# Altium PCB DAC_Sources.PcbDoc (part 4 of 8)
Units mm, origin at the board's own origin, x right, y up, seen from the top; angles counter-clockwise.
Board outline 277 x 137 mm, 8 copper layers (Top Layer, GND_02, SIG_03, PWR_04, PWR_05, SIG_06, GND_07, Bottom Layer), stack 1.669 mm thick; 635 components, 416 nets, 2247 pads, 2216 vias.
Unrouted connection lines stored in the file: 515.
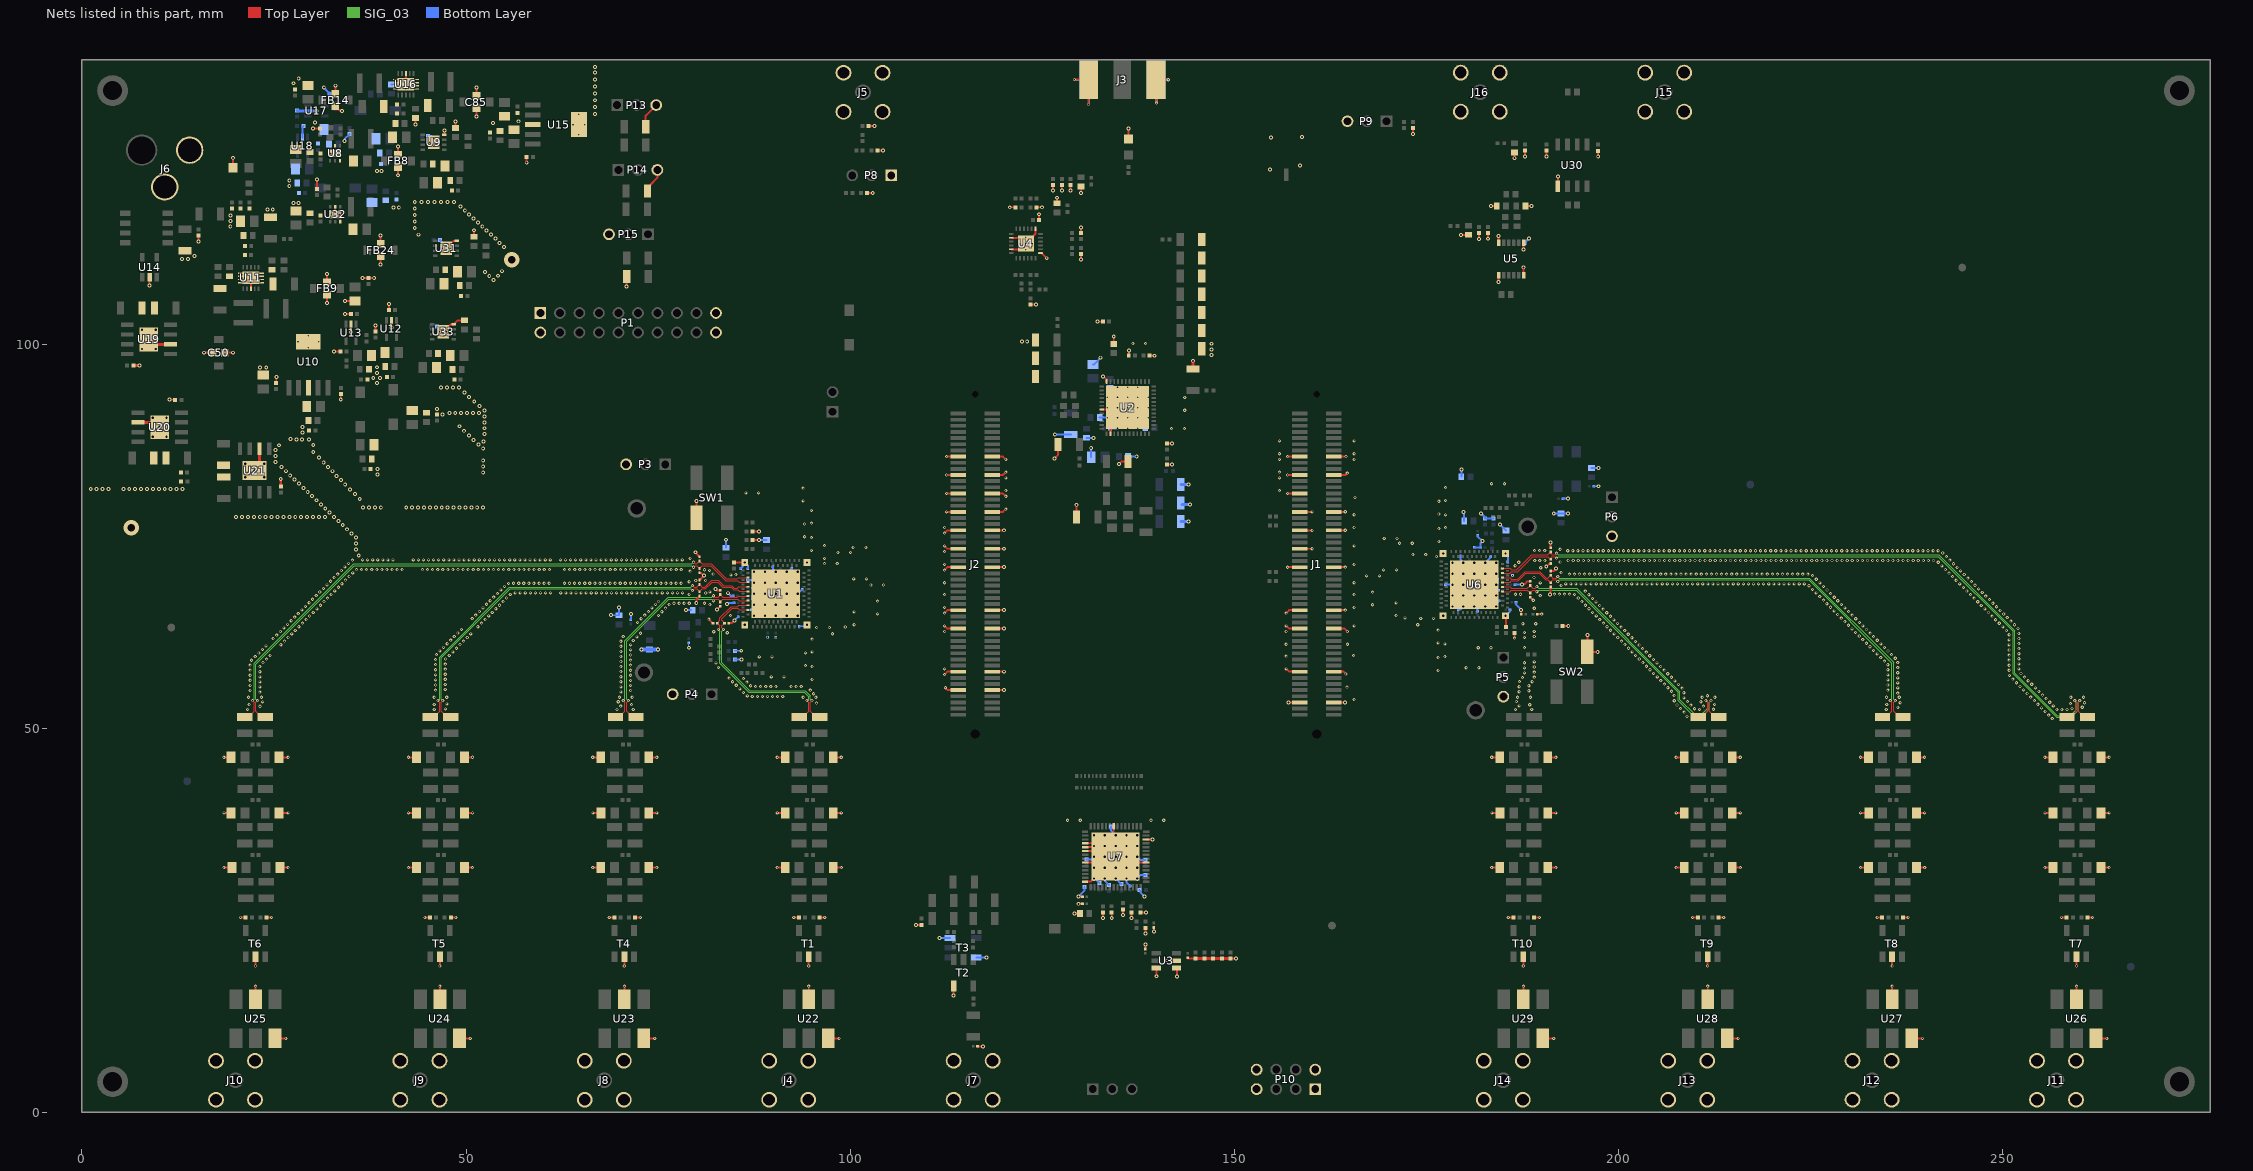
[diagram p10: the nets of this part, all layers, seen from the top]

## Via types
v1: diameter 0.406, hole 0.203, Top Layer to Bottom Layer, tented both sides, 1493 vias
v2: diameter 0.508, hole 0.254, Top Layer to Bottom Layer, tented both sides, 563 vias
v3: diameter 0.254, hole 0.152, Top Layer to Bottom Layer, tented both sides, 60 vias
v4: diameter 0.6, hole 0.3, Top Layer to Bottom Layer, tented top, 58 vias
v5: diameter 0.61, hole 0.305, Top Layer to Bottom Layer, tented top, 25 vias
v6: diameter 0.61, hole 0.305, Top Layer to Bottom Layer, tented both sides, 15 vias
v7: diameter 2, hole 1, Top Layer to Bottom Layer, tented both sides, 2 vias

## Nets (pads, with @x,y where several pads share a name; then routed paths per layer and width w, separated by ;. In a path a pad name is that pad's centre, name@x,y a point inside that pad or via, vN(x,y) a via of type N, cw(c..) or ccw(c..) an arc to the next point about the centre after c; other vN are vias at no path point) (continued)
GND: C1.1 C2.1 C3.1 C4.1 C5.1 C6.1 C10.1 C11.1 C12.2 C15.2 C16.2 C17.2 C18.2 C19.1 C20.2 C21.2 C22.2 C24.2 C25.2 C26.2 C27.2 C28.2 C29.2 C31.2 C32.2 C35.1 C36.2 C37.1 C38.1 C39.1 C40.1 C41.2 C42.1 C43.2 C44.2 C45.1 C46.1 C47.2 C48.2 C49.2 C50.2 C51.2 C52.2 C53.1 C54.2 C55.1 C56.1 C57.1 C58.1 C59.2 C60.2 C61.2 C62.2 C63.1 C64.1 C65.2 C66.1 C67.2 C68.1 C69.1 C70.2 C71.1 C72.2 C73.1 C74.2 C75.1 C76.1 C77.2 C84.2 C85.2 C86.2 C87.2 C88.1 C89.2 C90.1 C91.1 C92.1 C93.1 C94.2 C95.2 C96.2 C97.2 C98.1 C99.1 C100.2 C101.1 C102.2 C103.1 C104.1 C105.2 C106.1 C107.2 C108.1 C109.2 C110.1 C111.1 C112.2 C113.2 C114.2 C115.2 C116.2 C117.2 C118.2 C119.2 C120.2 C121.2 C122.2 C123.2 C124.2 C125.2 C126.2 C127.2 C128.2 C129.2 C130.2 C131.2 C132.2 C133.2 C134.2 C135.2 C136.2 C137.2 C138.2 C139.2 C140.2 C141.2 C145.1 C146.1 C147.1 C148.1 C149.1 C150.1 C154.1 C155.1 C156.1 C157.1 C158.1 C159.1 C163.1 C164.1 C165.1 C166.1 C167.1 C168.1 C172.1 C173.1 C174.1 C175.1 C176.1 C177.1 C181.1 C182.1 C183.1 C184.1 C185.1 C186.1 C190.1 C191.1 C192.1 C193.1 C194.1 C195.1 C199.1 C200.1 C201.1 C202.2 C203.2 C204.2 C205.2 C206.2 C207.2 C208.2 C209.2 C210.2 C211.2 C212.2 C213.2 C214.2 C215.2 C216.2 C217.2 C218.2 C219.2 C220.2 C221.2 C222.2 C223.2 C224.2 C225.2 C226.2 C227.2 C228.2 C229.2 C230.2 C231.2 C232.2 C233.2 C234.2 C235.2 C236.2 C237.2 C238.2 C239.2 C240.2 C241.2 C242.2 C243.2 C244.2 C245.2 C246.2 C247.2 C248.2 C249.2 C250.2 C251.2 C252.2 C253.2 C254.2 C255.2 C256.2 C257.2 C258.2 C259.2 C260.2 C261.2 C262.2 C263.2 C264.2 C265.2 C266.2 C267.1 C268.1 C269.2 C270.2 C271.2 C272.2 C273.2 C275.1 C277.2 C278.2 C279.2 C280.2 C281.2 C282.2 C285.2 C286.2 C287.2 C288.2 C289.1 C290.2 C291.1 C292.1 C293.1 C294.2 C296.1 C297.1 C298.2 C299.1 C300.1 C301.2 C302.1 C303.1 C304.1 C305.2 C306.2 C307.2 C308.2 C309.2 C310.2 C311.2 C312.2 C313.2 C314.2 C315.2 D1.1 D2.1 FB8.2 FB9.2 FB14.2 FB24.2 J1.15 J1.16 J1.21 J1.22 J1.28 J1.33 J1.34 J1.39 J1.40 J1.46 J1.51 J1.52 J1.65 J1.66 J1.71 J1.72 J1.85 J1.86 J1.95 J1.96 J2.15 J2.16 J2.21 J2.22 J2.27 J2.28 J2.33 J2.34 J2.39 J2.40 J2.45 J2.46 J2.51 J2.52 J2.65 J2.66 J2.71 J2.72 J2.85 J2.86 J2.91 J2.92 J3.2 J3.3 J4.2 J4.3 J4.4 J4.5 J5.2 J5.3 J5.4 J5.5 J6.2 J6.3 J7.2 J7.3 J7.4 J7.5 J8.2 J8.3 J8.4 J8.5 J9.2 J9.3 J9.4 J9.5 J10.2 J10.3 J10.4 J10.5 J11.2 J11.3 J11.4 J11.5 J12.2 J12.3 J12.4 J12.5 J13.2 J13.3 J13.4 J13.5 J14.2 J14.3 J14.4 J14.5 J15.2 J15.3 J15.4 J15.5 J16.2 J16.3 J16.4 J16.5 J25.2 P1.1 P1.2 P1.19 P1.20 P3.3 P4.3 P5.3 P6.3 P8.1 P9.3 P10.1 P10.2 P10.7 P10.8 P13.3 P14.3 P15.3 R1.1 R2.1 R3.1 R4.1 R5.1 R6.1 R7.2 R8.1 R9.2 R10.1 R11.2 R12.1 R13.1 R14.1 R15.1 R16.1 R17.1 R18.1 R19.1 R20.1 R21.1 R22.1 R24.1 R26.1 R27.1 R29.1 R35.1 R36.1 R38.1 R41.1 R42.1 R44.1 R48.1 R52.1 R55.1 R56.1 R58.1 R59.2 R60.1 R61.2 R62.1 R63.2 R64.1 R65.2 R66.1 R67.2 R68.1 R69.2 R72.2 R77.2 R81.1 R85.1 R89.1 R90.1 R96.1 R97.1 R98.1 R99.1 R100.1 R106.1 R108.1 R110.1 R112.1 R113.1 R114.1 R115.1 R118.1 R119.1 R126.2 SW1.4 SW2.4 T1.4 T2.1 T3.2 T3.5 T4.4 T5.4 T6.4 T7.4 T8.4 T9.4 T10.4 U1.C1 U1.C2 U1.C3 U1.C4 U1.C5@90.33,67.518 U2.2 U2.36 U2.43 U2.49@133.46,90.4 U2.49@133.46,91.73 U2.49@133.46,93.06 U2.49@134.79,89.07 U2.49@134.79,90.4 U2.49@134.79,91.73 U2.49@134.79,93.06 U2.49@134.79,94.39 U2.49@136.12,89.07 U2.49@136.12,90.4 U2.49@136.12,91.73 U2.49@136.12,93.06 U2.49@136.12,94.39 U2.49@137.45,89.07 U2.49@137.45,90.4 U2.49@137.45,91.73 U2.49@137.45,93.06 U2.49@137.45,94.39 U2.49@138.78,90.4 U2.49@138.78,91.73 U2.49@138.78,93.06 U3.1 U3.2 U3.6 U4.7 U4.13 U4.20 U4.23 U4.25@122.07,113.09 U4.25@122.87,112.29 U4.25@122.87,113.09 U4.25@122.87,113.89 U4.25@123.67,113.09 U5.1 U5.6 U5.7 U5.12 U6.C1 U6.C2 U6.C3 U6.C4 U6.C5@181.23,68.7 U7.8 U7.18 U7.19 U7.20 U7.23 U7.28 U7.48 U7.54 U7.57@134.55,33.286 U8.2 U8.6 U8.7@32.41,124.83 U8.7@32.96,124.83 U8.7@33.51,124.83 U9.4 U9.9 U10.3 U10.6 U11.8 U11.11@20.63,108.005 U11.11@20.63,108.415 U11.11@20.63,108.825 U11.11@20.63,109.235 U11.11@21.185,108.62 U11.11@22.01,108.07 U11.11@22.01,108.62 U11.11@22.01,109.17 U11.11@22.835,108.62 U11.11@23.39,108.005 U11.11@23.39,108.415 U11.11@23.39,108.825 U11.11@23.39,109.235 U12.2 U13.2 U14.2 U15.3 U15.6 U16.8 U16.11@40.805,133.205 U16.11@40.805,133.615 U16.11@40.805,134.025 U16.11@40.805,134.435 U16.11@41.36,133.82 U16.11@42.185,133.27 U16.11@42.185,133.82 U16.11@42.185,134.37 U16.11@43.01,133.82 U16.11@43.565,133.205 U16.11@43.565,133.615 U16.11@43.565,134.025 U16.11@43.565,134.435 U17.2 U18.2 U19.2 U19.9 U20.2 U20.9 U21.2 U21.9 U22.3 U22.5 U23.3 U23.5 U24.3 U24.5 U25.3 U25.5 U26.3 U26.5 U27.3 U27.5 U28.3 U28.5 U29.3 U29.5 U30.1 U31.4 U31.9 U32.2 U32.6 U32.7@32.43,116.88 U32.7@32.98,116.88 U32.7@33.53,116.88 U33.4 U33.9 | length 442.2
  Top Layer w0.191: v2@132.185,102.935 R126.2@132.875,102.935 ; R113.1@141.23,87.06 R113.1@141.26,87.09
  Top Layer w0.229: U11.8@22.01,107.22 U11.11@22.01,108.07 ; v2(33.7,92.78) C281.2@33.7,93.51
  Top Layer w0.23: v2(120.77,117.81) R90.1@121.5,117.81 ; R89.1@124.24,117.81 v2(124.97,117.81) ; C306.2@124.57,116.17 v2(124.57,116.9) ; v2(126.405,119.99) C270.2@126.405,120.72 ; C265.2@126.91,118.32 v2(126.91,119.05) ; v2(127.545,119.99) C271.2@127.545,120.72 ; v2(128.685,119.99) C272.2@128.685,120.72 ; v2(130.04,110.995) R118.1@130.04,111.725 ; R119.1@130.04,114.455 v2(130.04,115.185) ; C273.2@130.055,120.53 130.065,120.52 v2(130.065,119.66)
  Top Layer w0.254: v2(8.82,107.61) U14.2@8.82,108.73 ; v2(11.39,92.77) 11.4,92.76 12.13,92.76 C123.2@12.14,92.75 ; v2(15.21,113.369) C41.2@15.21,114.12 ; v2(15.92,98.88) C50.2@17.01,98.88 ; v1(18.496,31.877) C159.1@19.547,31.877 ; v1(18.496,46.228) C157.1@19.547,46.228 ; v1(18.507,38.989) C158.1@19.558,38.989 ; C50.2@18.61,98.88 v2(19.7,98.88) ; D2.1@19.66,122.96 v2(19.66,124.25) ; v1(20.649,25.4) R60.1@21.317,25.4 ; v1(22.6,19.06) 22.603,19.063 22.603,20.253 T6.4@22.606,20.256 ; U25.5@22.606,14.732 22.61,14.736 v1(22.61,16.45) ; R61.2@24.022,25.4 v1(24.69,25.4) ; U25.3@25.146,9.652 v1(26.56,9.652) ; C52.2@25.295,94.96 25.302,94.967 25.302,95.722 v2(25.31,95.73) ; C165.1@25.792,31.877 25.799,31.87 v1(26.85,31.87) ; C164.1@25.792,38.989 v1(26.843,38.989) ; C163.1@25.792,46.228 v1(26.843,46.228) ; v2(30.09,128.06) R36.1@30.97,128.06 ; R108.1@30.59,120.22 v2(30.59,121.41) ; C298.2@31.08,116.75 C298.2@31.09,116.76 ; v2(31.91,105.35) FB9.2@31.91,106.44 ; FB9.2@31.91,108.04 v2(31.91,109.13) ; v2(32.81,99.02) R44.1@33.64,99.02 ; U32.7@32.98,116.88 U32.2@32.98,117.855 ; FB14.2@33,130.97 33.581,130.389 33.821,130.389 v2(33.87,130.34) ; FB14.2@33,132.57 v2(33,133.63) ; U32.7@33.53,116.88 33.63,116.78 U32.6@33.63,115.905 ; v2(34.268,105.63) C63.1@35.03,105.63 ; v2(34.278,103.91) C77.2@35.04,103.91 ; v2(35.04,101.598) U13.2@35.04,102.36 ; v2(36.528,108.6) C62.2@37.29,108.6 v2(38.052,108.6) ; R42.1@38.23,101.66 v2(38.23,102.422) ; v2(38.89,110.34) FB24.2@38.89,111.43 ; FB24.2@38.89,113.03 v2(38.89,114.12) ; C70.2@39.96,104.46 v2(39.96,105.222) ; v2(40.3,102.138) U12.2@40.3,102.9 ; v2(41.15,121.98) FB8.2@41.15,123.04 ; FB8.2@41.15,124.64 v2(41.15,125.7) ; U16.11@42.185,133.82 U16.11@42.185,134.37 U16.8@42.185,135.22 ; v1(42.496,31.877) C150.1@43.547,31.877 ; v1(42.496,46.228) C148.1@43.547,46.228 ; v1(42.507,38.989) C149.1@43.558,38.989 ; v2(43.44,128.57) R52.1@43.44,129.42 ; v1(44.649,25.4) R12.1@45.317,25.4 ; v1(46.6,19.06) 46.603,19.063 46.603,20.253 T5.4@46.606,20.256 ; U24.5@46.606,14.732 46.61,14.736 v1(46.61,16.45) ; U33.9@47.02,101.59 47.995,102.565 U33.4@48.42,102.565 48.955,103.1 R110.1@49.82,103.1 ; U9.4@47.175,127.252 v2(47.175,127.785) ; U31.9@47.42,112.465 48.395,113.44 U31.4@48.82,113.44 ; R59.2@48.022,25.4 v1(48.69,25.4) ; R35.1@48.65,128.14 v2(48.65,128.98) ; U24.3@49.146,9.652 v1(50.56,9.652) ; C156.1@49.792,31.877 49.799,31.87 v1(50.85,31.87) ; C155.1@49.792,38.989 v1(50.843,38.989) ; C154.1@49.792,46.228 v1(50.843,46.228) ; R106.1@51.03,113.96 v2(51.03,114.82) ; v2(51.36,129.61) C85.2@51.36,130.7 ; C85.2@51.36,132.3 v2(51.36,133.39) ; v2(57.9,123.61) C282.2@57.9,124.37 ; v1(66.496,31.877) C19.1@67.547,31.877 ; v1(66.496,46.228) C10.1@67.547,46.228 ; v1(66.507,38.989) C11.1@67.558,38.989 ; v1(68.649,25.4) R10.1@69.317,25.4 ; v1(70.6,19.06) 70.603,19.063 70.603,20.253 T4.4@70.606,20.256 ; U23.5@70.606,14.732 70.61,14.736 v1(70.61,16.45) ; v2(70.91,107.49) R98.1@70.91,108.79 ; R11.2@72.022,25.4 v1(72.69,25.4) ; U23.3@73.146,9.652 v1(74.56,9.652) ; R96.1@73.39,128.29 73.39,129.75 P13.3@74.75,131.11 ; R97.1@73.62,119.93 73.968,120.278 73.968,120.708 74.91,121.65 P14.3@74.91,122.67 ; C147.1@73.792,31.877 73.799,31.87 v1(74.85,31.87) ; C146.1@73.792,38.989 v1(74.843,38.989) ; C145.1@73.792,46.228 v1(74.843,46.228) ; v2(79.85,72.91) 79.85,72.89 80.39,72.35 R13.1@80.39,72.33 ; v2(79.97,66.31) 80.019,66.359 80.019,66.819 80.39,67.19 R6.1@80.39,67.21 ; SW1.4@80,77.388 v2(80,79.58) ; R8.1@80.39,69.29 v2(80.97,69.87) 80.643,70.197 80.423,70.197 80.39,70.23 R14.1@80.39,70.25 ; v1(81.61,64.22) 82.13,63.7 R4.1@82.13,63.68 ; v2(82.45,68.15) 82.642,67.958 R3.1@83.06,67.958 ; v2(82.66,65.48) 82.682,65.48 83.06,65.858 R5.1@83.06,65.878 ; R2.1@84.21,63.68 84.57,63.68 v2(84.94,64.05) ; C211.2@84.89,71.57 86.278,71.57 v4(86.28,71.568) ; R72.2@87.31,74.5 v2(88.13,74.5) ; C210.2@87.31,75.63 v2(88.13,75.63) ; v1(90.496,31.877) C3.1@91.547,31.877 ; v1(90.496,46.228) C1.1@91.547,46.228 ; v1(90.507,38.989) C2.1@91.558,38.989 ; v1(92.649,25.4) R1.1@93.317,25.4 ; v1(94.6,19.06) 94.603,19.063 94.603,20.253 T1.4@94.606,20.256 ; U22.5@94.606,14.732 94.61,14.736 v1(94.61,16.45) ; R7.2@96.022,25.4 v1(96.69,25.4) ; U22.3@97.146,9.652 v1(98.56,9.652) ; C6.1@97.792,31.877 97.799,31.87 v1(98.85,31.87) ; C5.1@97.792,38.989 v1(98.843,38.989) ; C4.1@97.792,46.228 v1(98.843,46.228) ; R29.1@102.2,119.69 v2(102.94,119.69) ; R27.1@102.41,128.39 v2(103.15,128.39) ; R26.1@103.55,125.21 v2(104.29,125.21) ; v2(108.575,24.425) C84.2@109.245,24.425 ; v1(112.293,56.997) 112.663,57.367 J2.86@114.075,57.367 ; v1(112.293,63.337) 112.663,62.967 J2.72@114.075,62.967 ; v1(112.293,64.997) 112.663,65.367 J2.66@114.075,65.367 ; v1(112.293,70.597) 112.663,70.967 J2.52@114.075,70.967 ; v1(112.293,73.737) 112.663,73.367 J2.46@114.075,73.367 ; v1(112.293,75.397) 112.663,75.767 J2.40@114.075,75.767 ; v1(112.4,55.28) 112.713,54.967 J2.92@114.075,54.967 ; v1(112.54,85.36) 112.543,85.363 114.072,85.363 J2.16@114.075,85.367 ; v1@112.547,78.167 J2.34@114.075,78.167 ; v1@112.547,80.567 J2.28@114.075,80.567 ; v1@112.547,82.967 J2.22@114.075,82.967 ; v2(113.47,15.21) T2.1@113.47,16.47 ; R48.1@116.58,8.6 v2(117.26,8.6) ; J2.91@118.475,54.967 v2@120.003,54.967 ; J2.85@118.475,57.367 v2@120.003,57.367 ; J2.71@118.475,62.967 v2@120.003,62.967 ; J2.65@118.475,65.367 v2@120.003,65.367 ; J2.51@118.475,70.967 v2@120.003,70.967 ; J2.45@118.475,73.367 v2@120.003,73.367 ; J2.39@118.475,75.767 v2@120.003,75.767 ; J2.33@118.475,78.167 119.887,78.167 v1(120.257,78.537) ; J2.27@118.475,80.567 119.887,80.567 v1(120.257,80.197) ; J2.21@118.475,82.967 119.887,82.967 v1(120.257,83.337) ; J2.15@118.475,85.367 119.887,85.367 v1(120.257,84.997) ; U4.23@120.97,112.34 122.12,112.34 U4.25@122.87,113.09 ; U4.20@120.97,113.84 122.12,113.84 U4.25@122.87,113.09 ; C275.1@123.44,105.15 123.445,105.145 124.165,105.145 v2(124.17,105.14) ; U4.13@124.12,114.99 124.12,114.34 U4.25@122.87,113.09 ; U4.7@124.77,111.84 124.92,111.84 v2(125.58,111.18) ; v2(126.61,85.12) 127.04,85.55 C32.2@127.04,86.92 ; v2(129.18,25.91) C263.2@129.92,25.91 ; v1(129.188,134.44) J3.2@130.79,134.44 ; C311.2@129.45,77.5 v2(129.45,79.09) ; v2@129.71,27.17 C262.2@130.24,27.17 ; v2@129.71,28.1 C261.2@130.24,28.1 ; U7.28@130.6,30.036 131.306,30.036 v5(131.731,30.461) ; U7.23@130.6,32.536 133.8,32.536 U7.57@134.55,33.286 ; U7.20@130.6,34.036 U7.57@133.8,34.036 ; U7.19@130.6,34.536 131.577,34.536 v5(131.731,34.69) ; U7.18@130.6,35.036 132.8,35.036 U7.57@133.8,34.036 ; v1(131.02,131.188) J3.2@131.02,132.79 ; U2.43@132.72,91.48 U2.49@135.87,91.48 ; v2(132.91,25.29) C125.2@132.91,26.03 ; v2(132.92,95.8) 133.37,95.35 U2.36@133.37,95.13 ; U2.2@133.87,88.33 133.87,89.48 U2.49@134.79,90.4 U2.49@135.87,91.48 ; v2(134.04,25.3) C126.2@134.04,26.04 ; U7.8@134.3,37.236 134.3,36.351 v5(134.551,36.1) ; C24.2@134.3,100.03 v2(134.3,100.99) ; v2(134.98,84.4) 135.29,84.71 R24.1@136.17,84.71 ; v2(135.49,25.7) C127.2@135.49,26.44 ; U2.49@136.12,91.73 U2.49@135.87,91.48 ; D1.1@136.21,126.71 v2(136.21,128.05) ; R115.1@136.255,98.51 136.267,98.523 136.267,99.138 v2(136.28,99.15) ; v2(136.63,25.29) C120.2@136.63,26.03 ; C130.2@137.78,26.03 v2(138.52,26.03) ; v2(138.41,23.29) R81.1@138.41,24.03 ; C308.2@138.44,21.29 v2(138.44,21.88) ; U7.48@138.5,32.536 135.3,32.536 U7.57@134.55,33.286 ; U7.54@138.5,35.536 v2(139.37,35.536) ; R114.1@138.997,98.497 v2@139.612,98.497 ; C264.2@139.5,24.09 139.51,24.08 139.51,23.55 v2(139.52,23.54) ; J3.3@139.8,134.41 v1(141.402,134.41) ; v2(139.85,17.73) U3.6@139.85,18.81 ; v1(139.86,131.368) J3.3@139.86,132.97 ; v2(141.23,19.76) U3.2@142.47,19.76 ; R112.1@141.23,84.33 v2(141.88,84.33) ; R113.1@141.26,87.09 v2(141.91,87.09) ; U3.1@142.47,18.81 142.51,18.77 v2(142.51,17.69) ; C307.2@143.91,20.15 144.027,20.033 C136.2@144.968,20.033 ; C140.2@149.52,20.033 v2(150.19,20.033) ; v1(156.743,57.737) 157.113,57.367 J1.86@158.525,57.367 ; v1(156.743,63.337) 157.113,62.967 J1.72@158.525,62.967 ; v1(156.743,64.997) 157.113,65.367 J1.66@158.525,65.367 ; v1(156.923,70.967) J1.52@158.525,70.967 ; v1(156.923,80.567) J1.28@158.525,80.567 ; v1(156.923,82.967) J1.22@158.525,82.967 ; v1(156.923,85.367) J1.16@158.525,85.367 ; v2(157.053,53.367) J1.96@158.525,53.367 ; J1.46@158.525,73.367 v1(160.127,73.367) ; J1.40@158.525,75.767 v1(160.127,75.767) ; J1.34@158.525,78.167 v1(160.127,78.167) ; J1.95@162.925,53.367 v2(164.397,53.367) ; J1.85@162.925,57.367 164.213,57.367 v1(164.51,57.07) ; J1.71@162.925,62.967 164.337,62.967 v1(164.707,62.597) ; J1.65@162.925,65.367 v1@164.427,65.367 ; J1.51@162.925,70.967 v1@164.427,70.967 ; J1.39@162.925,75.767 v1@164.427,75.767 ; J1.33@162.925,78.167 164.427,78.167 v1(164.44,78.18) ; J1.21@162.925,82.967 164.406,82.967 164.659,83.22 v1(164.7,83.22) ; J1.15@162.925,85.367 v1(164.527,85.367) ; v2@173.23,127.35 R85.1@173.23,128.1 ; v2@179.5,114.22 C280.2@180.25,114.22 ; v2@181.85,113.7 C279.2@181.85,114.45 ; v2@183,113.72 C278.2@183,114.47 ; v2@183.39,117.99 R100.1@184.14,117.99 ; v1(183.496,31.877) C195.1@184.547,31.877 ; v1(183.496,46.228) C193.1@184.547,46.228 ; v1(183.507,38.989) C194.1@184.558,38.989 ; v2(184.39,108.08) 184.395,108.085 184.395,108.965 U5.7@184.4,108.97 ; U5.6@184.4,113.186 v2(184.4,114.07) ; v4(185.28,64.65) 185.34,64.59 R77.2@185.34,63.21 ; v4(185.28,72.75) U6.C1@185.282,72.752 ; v1(185.649,25.4) R68.1@186.317,25.4 ; v1(186.47,61.74) C215.2@186.47,62.41 ; v2@186.47,124.2 C288.2@186.47,124.95 ; v2(187.33,65.41) 187.34,65.4 187.34,64.872 R20.1@187.35,64.862 ; v2(187.43,68.71) 187.475,68.755 187.775,68.755 188.145,69.125 188.485,69.125 R19.1@188.5,69.14 ; v1(187.6,19.06) 187.603,19.063 187.603,20.253 T10.4@187.606,20.256 ; U29.5@187.606,14.732 187.61,14.736 v1(187.61,16.45) ; U5.12@187.65,108.97 v2(187.65,110) ; v2(187.65,112.303) U5.1@187.65,113.186 ; v2@187.82,124.42 C286.2@187.82,125.17 ; R99.1@187.9,117.99 v2@188.65,117.99 ; R21.1@188.5,67.06 188.5,67.04 188.878,66.662 v2(188.9,66.662) ; R69.2@189.022,25.4 v1(189.69,25.4) ; R22.1@189.43,64.862 R22.1@189.43,64.862 190.009,64.861 v1(190.01,64.86) ; U29.3@190.146,9.652 v1(191.56,9.652) ; v2(190.59,71.052) 190.917,71.379 191.137,71.379 191.17,71.412 R17.1@191.17,71.432 ; v2@190.61,124.43 C285.2@190.61,125.18 ; C201.1@190.792,31.877 190.799,31.87 v1(191.85,31.87) ; C200.1@190.792,38.989 v1(191.843,38.989) ; C199.1@190.792,46.228 v1(191.843,46.228) ; v2(191.09,67.402) 191.137,67.449 191.137,68.359 R16.1@191.17,68.392 ; R18.1@191.17,70.472 191.542,70.472 v2(191.86,70.79) ; R15.1@191.17,73.512 v2(191.17,74.192) ; U30.1@192.095,120.545 192.097,120.547 192.097,121.818 v2(192.1,121.82) ; C214.2@192.71,63.31 v2(193.46,63.31) ; SW2.4@195.94,61.41 v2(195.94,62.16) ; SW2.4@196.54,59.95 v2(197.29,59.95) ; v2@197.35,124.41 C287.2@197.35,125.16 ; v1(207.496,31.877) C186.1@208.547,31.877 ; v1(207.496,46.228) C184.1@208.547,46.228 ; v1(207.507,38.989) C185.1@208.558,38.989 ; v1(209.649,25.4) R66.1@210.317,25.4 ; v1(211.6,19.06) 211.603,19.063 211.603,20.253 T9.4@211.606,20.256 ; U28.5@211.606,14.732 211.61,14.736 v1(211.61,16.45) ; R67.2@213.022,25.4 v1(213.69,25.4) ; U28.3@214.146,9.652 v1(215.56,9.652) ; C192.1@214.792,31.877 214.799,31.87 v1(215.85,31.87) ; C191.1@214.792,38.989 v1(215.843,38.989) ; C190.1@214.792,46.228 v1(215.843,46.228) ; v1(231.496,31.877) C177.1@232.547,31.877 ; v1(231.496,46.228) C175.1@232.547,46.228 ; v1(231.507,38.989) C176.1@232.558,38.989 ; v1(233.649,25.4) R64.1@234.317,25.4 ; v1(235.6,19.06) 235.603,19.063 235.603,20.253 T8.4@235.606,20.256 ; U27.5@235.606,14.732 235.61,14.736 v1(235.61,16.45) ; R65.2@237.022,25.4 v1(237.69,25.4) ; U27.3@238.146,9.652 v1(239.56,9.652) ; C183.1@238.792,31.877 238.799,31.87 v1(239.85,31.87) ; C182.1@238.792,38.989 v1(239.843,38.989) ; C181.1@238.792,46.228 v1(239.843,46.228) ; v1(255.496,31.877) C168.1@256.547,31.877 ; v1(255.496,46.228) C166.1@256.547,46.228 ; v1(255.507,38.989) C167.1@256.558,38.989 ; v1(257.649,25.4) R62.1@258.317,25.4 ; v1(259.6,19.06) 259.603,19.063 259.603,20.253 T7.4@259.606,20.256 ; U26.5@259.606,14.732 259.61,14.736 v1(259.61,16.45) ; R63.2@261.022,25.4 v1(261.69,25.4) ; U26.3@262.146,9.652 v1(263.56,9.652) ; C174.1@262.792,31.877 262.799,31.87 v1(263.85,31.87) ; C173.1@262.792,38.989 v1(263.843,38.989) ; C172.1@262.792,46.228 v1(263.843,46.228) ; U7.57@133.8,34.036 U7.57@134.55,33.286
  Top Layer w0.381: C115.2@6.71,97.23 v2(7.53,97.23) ; U20.2@7.314,89.815 9.505,89.815 v6(10.14,89.18) ; v6(8.73,100.61) 9.365,99.975 U19.2@11.556,99.975 ; v6(22.49,83.55) 23.125,84.185 U21.2@23.125,86.376 ; C141.2@25.89,81.5 v2(25.89,82.42) ; C16.2@144.62,96.76 v2(144.62,97.83) ; C136.2@144.968,20.033 C137.2@146.11,20.033 C138.2@147.25,20.033 C139.2@148.39,20.033 C140.2@149.52,20.033
  Bottom Layer w0.152: v2(79,60.48) C219.2@79,61.13
  Bottom Layer w0.254: U18.2@28.71,126.92 28.71,128.24 C112.2@28.83,128.36 ; v2(31.49,133.4) R56.1@32.23,132.66 ; v2(34.2,126.46) 34.249,126.509 34.249,126.719 C100.2@34.86,127.33 ; R55.1@40.33,133.79 41.33,133.79 U16.11@41.36,133.82 ; C44.2@45.07,127.07 45.482,127.07 U9.9@45.775,126.777 ; C305.2@46.32,102.3 46.81,102.3 U33.9@47.02,102.09 ; C294.2@46.6,113.55 47.138,113.012 47.373,113.012 U31.9@47.42,112.965 ; v2(68.89,64.72) 68.895,64.715 69.885,64.715 C238.2@69.89,64.71 ; C238.2@69.89,64.72 v2@69.89,65.71 ; C237.2@71.46,64.13 v2(71.46,64.86) ; v2(78.64,65.37) C226.2@79.29,65.37 ; C235.2@83.84,73.5 v2(83.84,74.54) ; v2(83.99,66.16) 84.15,66.32 C224.2@84.87,66.32 ; v2(84.09,67.58) 84.44,67.23 C233.2@84.74,67.23 ; v2(84.94,64.05) 84.94,64.06 C232.2@85.41,64.53 ; C213.2@84.99,60.09 v2(85.82,60.09) ; C212.2@85,58.96 85.005,58.955 85.875,58.955 v2(85.88,58.95) ; C234.2@85.74,70.81 85.74,70.83 85.773,70.863 85.793,70.863 86.214,71.284 86.214,71.502 v4(86.28,71.568) 86.68,71.168 C220.2@86.68,70.77 ; C222.2@86.63,69.31 87.11,69.31 v4(87.48,68.94) ; C225.2@87.16,65.4 87.48,65.08 v4(87.48,64.665) ; C221.2@87.25,68.26 87.48,68.03 v4(87.48,67.515) 87.28,67.315 C223.2@87.28,66.83 ; C218.2@88.12,64.57 88.215,64.665 v4(88.905,64.665) ; v2(88.13,74.5) 88.14,74.51 C231.2@89.1,74.51 ; C227.2@89.95,71.03 89.95,70.745 v4(90.33,70.365) 90.475,70.22 C202.2@90.97,70.22 ; v4(90.33,64.665) 90.395,64.73 C204.2@91.01,64.73 ; v4(91.755,70.365) 91.821,70.431 92.011,70.431 92.347,70.767 92.367,70.767 92.4,70.8 C228.2@92.4,70.82 ; v4(93.18,67.515) 93.745,68.08 C203.2@93.75,68.08 ; C230.2@93.38,63.28 94.192,63.28 v4(94.38,63.468) ; v2(111.63,22.7) T3.5@112.975,22.7 ; T3.2@116.405,20.16 v2(117.75,20.16) ; v2(126.63,88.26) 128.69,88.26 C18.2@128.71,88.24 ; v1(129.188,134.44) 129.218,134.41 J3.2@131.037,134.41 ; v2(129.7,28.09) 130.52,28.91 C124.2@130.52,29.36 ; C31.2@130.74,87.8 130.745,87.795 131.645,87.795 v2(131.65,87.79) ; C134.2@130.75,32.91 131.361,32.91 v5(131.731,33.281) ; v1@131.05,131.218 J3.2@131.05,133.037 ; C267.1@131.37,85.28 v2(131.37,86.48) ; C268.1@131.59,97.36 131.74,97.36 132.56,98.18 v2(132.56,98.23) ; v5(131.731,30.461) 131.839,30.461 R9.2@132.45,29.85 ; C17.2@132.47,90.43 133.43,90.43 U2.49@133.46,90.4 ; v5(133.141,30.461) 133.141,30.139 C118.2@133.67,29.61 ; C269.2@133.81,89 134.72,89 U2.49@134.79,89.07 ; C20.2@133.81,94.29 133.91,94.39 U2.49@134.79,94.39 ; C133.2@133.93,37.21 133.93,36.721 v5(134.551,36.1) ; v5(134.551,30.461) 134.551,30.459 C119.2@135.29,29.72 ; v5(135.96,30.461) 135.96,29.98 C260.2@136.47,29.47 ; C28.2@136.17,85.35 v2(137.29,85.35) ; v5(137.37,30.461) 137.819,30.91 C116.2@138.46,30.91 ; v5(137.37,33.281) 137.801,32.85 C135.2@138.44,32.85 ; U2.49@137.45,89.07 137.53,89.15 C15.2@138.39,89.15 ; C117.2@137.67,28.94 137.803,28.807 137.803,28.607 v2(138.3,28.11) ; J3.3@139.553,134.44 v1@141.372,134.44 ; v1@139.89,131.398 J3.3@139.89,133.217 ; C208.2@177.49,68.7 v4(178.38,68.7) ; C248.2@179.11,65.45 179.405,65.45 v4(179.805,65.85) ; C250.2@179.43,72.44 179.43,71.925 v4(179.805,71.55) ; C252.2@179.54,82.74 v2(179.54,83.67) ; v2(179.8,78.17) 179.8,78.101 179.91,77.991 C259.2@179.91,76.96 ; C206.2@180.55,71.4 181.08,71.4 v4(181.23,71.55) ; v4(181.23,65.85) 181.65,65.43 C249.2@181.65,65.26 ; C251.2@181.23,73.56 181.26,73.53 C258.2@182.05,73.53 182.05,74.104 182.27,74.324 v2(182.27,74.38) 181.69,74.96 C257.2@181.69,75.1 ; v2(182.1,77.98) 182.62,77.46 C216.2@182.62,77.31 C217.2@183.73,77.31 ; v4(182.655,71.55) 183.37,72.265 C239.2@183.37,72.35 ; v4(184.08,65.85) 184.08,66.22 C245.2@184.46,66.6 ; v4(184.08,67.275) 184.08,67.64 C244.2@184.4,67.96 ; v4(184.08,68.7) 184.24,68.86 C242.2@184.24,69.39 ; v4(184.08,70.125) 184.08,70.72 C241.2@184.15,70.79 ; v2(184.59,76.51) 185.35,75.75 C247.2@185.35,75.73 ; v4(185.28,64.65) 185.88,65.25 C246.2@185.88,65.4 ; v4(185.28,72.75) 185.61,72.42 C253.2@185.61,71.65 ; C254.2@186.52,68.7 187.42,68.7 v2(187.43,68.71) ; C255.2@186.66,66.38 186.66,66.08 v2(187.33,65.41) ; C277.2@187.76,113.18 v2@188.39,113.81 ; v2(191.57,77.95) C256.2@192.5,77.95 v2(193.43,77.95) ; C240.2@192.813,79.857 192.78,79.89 C240.2@192.76,79.89 v2(193.4,79.89) ; C209.2@196.46,83.87 v2@197.37,83.87 ; C207.2@196.76,81.5 v2(197.4,81.5)